# KiCad board we816.kicad_pcb (continued)
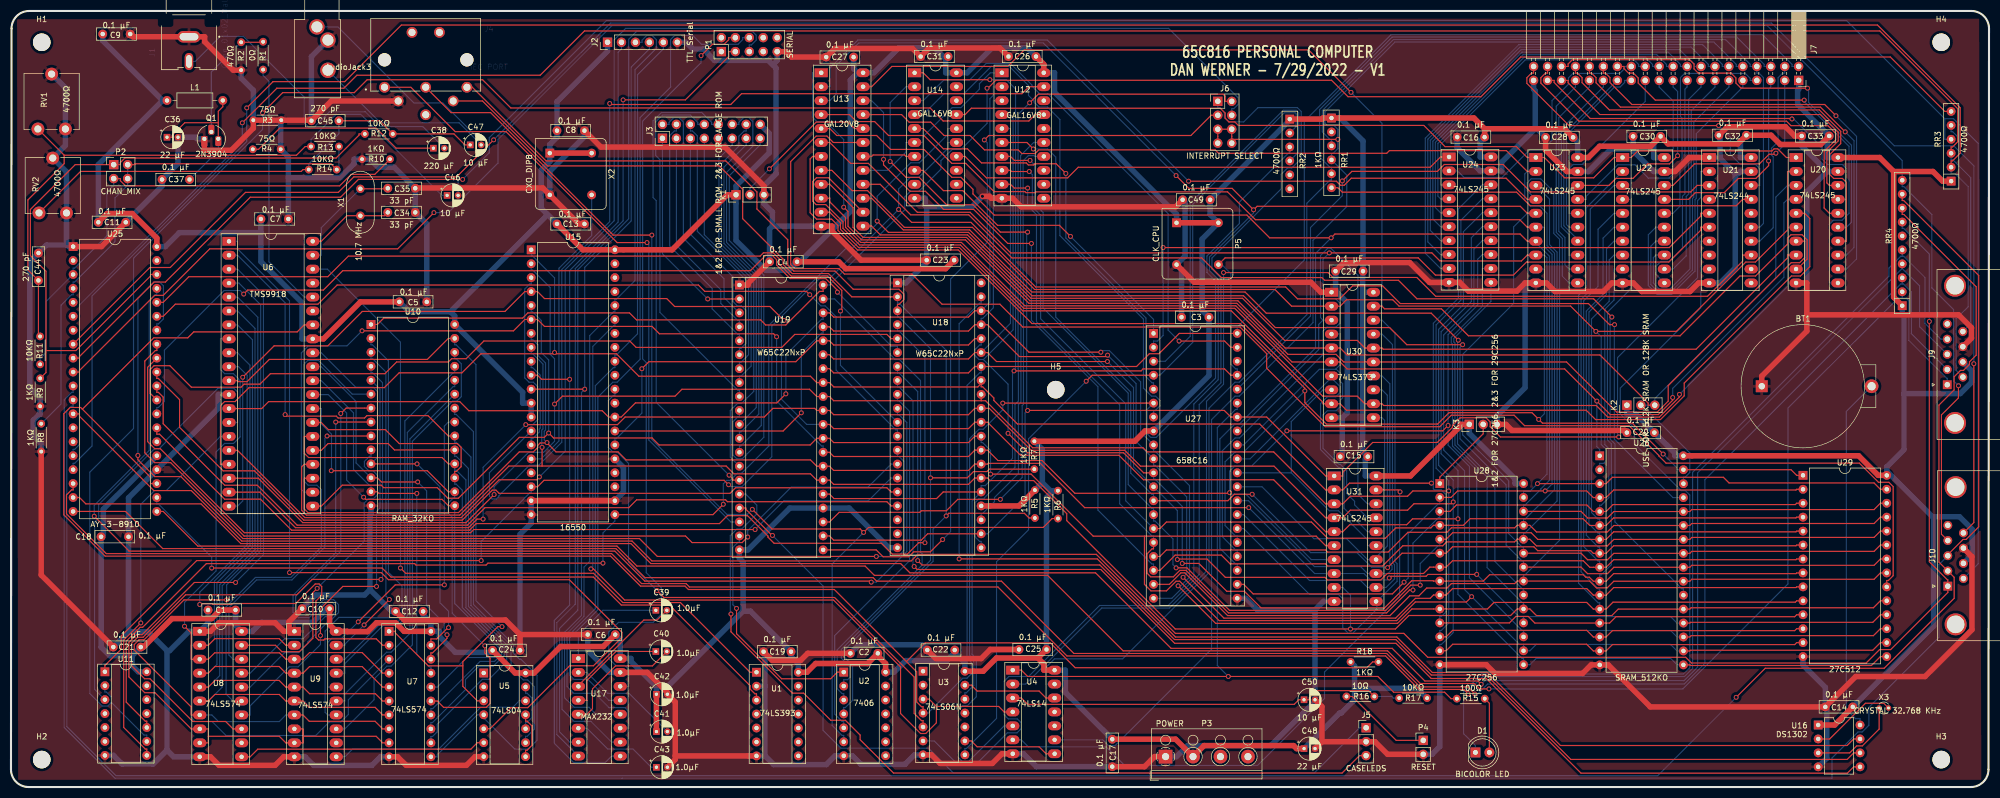
[diagram p0: board, top side]
## Routing (per net, layer and track width the routed paths; a pad name or vN(x,y) marks a point on that pad's centre or on a via; arc(x,y) is an arc through that point) (continued)
NMI: length 157.9
  Component w0.203: v1(180.55,69.95) U27.6
  Copper w0.203: U3.12 173.66,17.18 173.93,17.18 175.28,18.53 175.28,23.24 174.52,24.01 174.52,63.48 176.23,65.19 177,65.19 180.55,68.74 v1(180.55,69.95) ; RR2.3 232.8,115.46 232.51,115.46 223.63,106.58 223.63,102.67 217.72,96.76 217.72,93.76 219.28,92.19 219.28,74.51 208.49,63.71 207.5,63.71 206.84,64.37 206.84,68.79 U27.6
O1_ROM: length 274.1
  Component w0.203: U13.19 149.7,117.44 148.53,118.61 146.59,118.61 141.94,113.96 141.94,95.22 142.69,94.47 150.73,94.47 151.72,93.47 164,93.47 169.5,87.97 180.03,87.97 184.19,83.81 223.75,83.81 228.59,78.97 228.59,76.32 239.26,65.65 260.12,65.65 262.21,67.74 273.65,67.74 275.55,65.84 294.56,65.84 299.98,60.42 299.98,60.34 301.31,59.02 336.49,59.02 339.99,55.52 341.88,55.52 342.65,54.74 342.65,38.51 341.77,37.63 341.48,37.63 U29.20
P1_A: length 456.7
  Component w0.203: v1(42.91,123.74) 47.7,128.52 47.7,128.53 60.75,128.53 71.07,138.84 339.79,138.84 354.86,123.77 354.86,115.49 353.47,114.1 353.2,114.1 RR3.2
  Copper w0.203: RR3.2 353.2,111.78 353.92,111.78 356.32,109.39 356.32,87.53 354.12,85.33 354.12,75.91 J9.6 ; v1(42.91,123.74) 42.91,117.62 14.75,89.46 14.75,62.14 11.6,58.99 11.31,58.99 U25.17
P1_B: length 442.2
  Component w0.203: RR3.3 353.2,116.64 353.47,116.64 354.41,117.57 354.41,123.58 340.22,137.76 104.41,137.76 96.34,129.69 62.97,129.69 60.6,127.32 48.41,127.32 v1(42.11,121.03)
  Copper w0.203: U25.16 11.31,61.53 11.6,61.53 12.47,62.39 12.47,87.82 42.11,117.46 v1(42.11,121.03) ; RR3.3 353.2,114.32 353.49,114.32 356.77,111.04 356.77,84.43 355.34,83
P1_D: length 417.6
  Component w0.203: U25.20 20.86,50.21 27.62,43.44 110.12,43.44 115.41,38.15 156.95,38.15 157.6,37.5 180.32,37.5 193.49,24.33 250.44,24.33 256.53,18.24 265.2,18.24 v1(266.5,16.93)
  Copper w0.203: 344.3,91.66 344.51,91.66 345.97,90.21 345.97,82.6 J9.2 ; 344.3,91.66 RR4.3 ; 344.3,91.66 344.03,91.66 308.37,56 308.37,22.53 304.59,18.76 268.81,18.76 266.99,16.93 v1(266.5,16.93)
P1_L: length 419.1
  Component w0.203: v1(267.65,18.73) 267.06,19.32 257.39,19.32 251.44,25.27 211.2,25.27 197.44,39.03 163.65,39.03 161.96,40.72 116.49,40.72 112.85,44.36 41.83,44.36 34.6,51.59 13.62,51.59 12.47,52.75 U25.19
  Copper w0.203: 344.28,94.48 344.3,94.5 RR4.4 ; 344.28,94.48 347.46,91.3 347.46,83.88 J9.3 ; 344.28,94.48 307.05,57.26 307.05,21.86 304.57,19.39 268.31,19.39 v1(267.65,18.73)
P1_R: length 429.6
  Component w0.203: v1(265.28,17.01) 264.51,17.78 256.34,17.78 250.25,23.88 192.24,23.88 179.67,36.45 123.52,36.45 122.9,37.06 114.8,37.06 109.34,42.53 17.34,42.53 10.1,49.77 10.1,53.21 11.02,54.13 11.31,54.13 U25.18
  Copper w0.203: v1(265.28,17.01) 265.28,17.5 267.92,20.13 304.67,20.13 306.14,21.6 306.14,57.34 341.88,93.08 341.88,94.56 344.03,96.7 344.3,96.7 ; 344.3,96.7 344.57,96.7 348.43,92.84 348.43,84.5 351.32,81.61 J9.4 ; 344.3,96.7 RR4.5
P1_U: length 400.2
  Component w0.203: U25.21 27.71,50.21 34.02,43.9 110.31,43.9 113.95,40.26 155.49,40.26 157.18,38.57 188.71,38.57 202.47,24.81 250.61,24.81 256.56,18.86 266.38,18.86 267.37,17.88 v1(269.06,17.88)
  Copper w0.203: RR4.2 344.3,89.08 ; 344.3,89.08 345.03,89.08 345.51,88.61 345.51,81.38 352.43,74.46 352.5,74.46 J9.1 ; 344.3,89.08 343.55,89.08 323.5,69.04 323.5,37.02 304.36,17.88 v1(269.06,17.88)
P2_A: length 468.7
  Component w0.203: v1(82.22,110.71) 63.25,110.71 60,107.46 43.56,107.46 28.1,92.01 26.03,92.01 12.47,78.44 12.47,78.15 U25.9
  Copper w0.203: J10.6 358.14,40.68 358.14,117.26 353.63,121.77 352.04,121.77 ; 352.04,121.77 334.17,139.65 108.4,139.65 87.07,118.32 87.07,115.56 v1(82.22,110.71) ; 352.04,121.77 352.04,118.02 RR3.4
P2_B: length 453.4
  Component w0.203: J10.9 357.34,48.19 v1(357.34,77.13) ; U25.8 25.28,94.66 28.99,94.66 42.68,108.35 59.59,108.35 62.41,111.17 81.12,111.17 v1(87.87,117.92)
  Copper w0.203: 353.67,116.84 357.34,113.17 v1(357.34,77.13) ; 353.67,116.84 342.85,116.84 320.5,139.19 109.14,139.19 v1(87.87,117.92) ; 353.67,116.84 354.41,117.58 354.41,118.46 353.47,119.4 353.2,119.4 RR3.5
P2_D: length 502
  Component w0.203: RR4.8 344.3,104.32 344.59,104.32 357.76,91.15 357.76,78.69 356.54,77.46 356.54,77 355.45,75.91 354.91,75.91 353.74,74.74 353.74,72.34 350.98,69.58 350.98,40.99 J10.2 353.76,38.21 353.76,34.39 341.01,21.64 319.36,21.64 v1(314.07,16.35)
  Copper w0.203: v1(314.07,16.35) 299.78,2.06 19.12,2.06 10.15,11.03 10.15,68.51 11.02,69.37 11.31,69.37 U25.12
P2_L: length 512.9
  Component w0.203: J10.3 352.6,42.34 355.37,45.11 355.93,45.11 358.22,47.4 358.22,93.21 344.57,106.86 344.3,106.86 RR4.9
  Copper w0.203: U25.11 11.31,71.91 11.04,71.91 9.69,70.57 9.69,10.84 18.93,1.6 331.51,1.6 331.51,5.29 336.25,10.03 337.01,10.03 338.23,11.24 338.23,14.51 351,27.28 351,40.54 J10.3
P2_R: length 447.4
  Component w0.203: v1(77,104.65) 70.4,98.06 36.18,98.06 27.71,89.58 26.15,89.58 12.47,75.9 12.47,75.61 U25.10 ; J10.4 351.44,46.07 351.44,67.8 354.54,70.9 v1(354.54,73.11)
  Copper w0.203: v1(77,104.65) 79.62,104.65 88.67,113.7 88.67,118 109.41,138.73 319.71,138.73 344.3,114.15 RR4.10 344.3,109.4 344.59,109.4 349.69,104.31 349.69,90.96 353.66,86.99 353.66,73.99 v1(354.54,73.11)
P2_U: length 437.8
  Component w0.203: U25.13 12.47,67.99 12.47,67.56 26,54.02 32.82,54.02 42.02,44.82 113.06,44.82 116.68,41.19 163.88,41.19 165.08,42.39 197.58,42.39 211.98,27.99 253.57,27.99 257.92,23.64 304.88,23.64 305.92,22.6 337.74,22.6 340.18,25.04 342.2,25.04 352.6,35.44 J10.1 352.6,37.76 352.53,37.76 349.23,41.05 v1(349.23,84.84)
  Copper w0.203: RR4.7 344.3,101.78 344.57,101.78 349.23,97.12 v1(349.23,84.84)
RD: length 459.3
  Component w0.203: v1(264.27,80.59) 254.11,80.59 250.98,83.72 230.17,83.72 224.38,89.51 185.88,89.51 174.33,101.06 159.74,101.06 v1(157.69,103.11) ; v1(107.77,40.79) 86.84,40.79 86.48,40.44 73.75,40.44 73.48,40.71 35.57,40.71 23.96,29.1 23.5,29.1 20.98,26.58 20.98,15.47 24.45,12 24.72,12 U11.10 ; U29.22 340.32,41.55 339.17,40.39 305.98,40.39 305.62,40.03 291.8,40.03 290.64,38.88 287.01,38.88 285.82,40.06 U28.22 ; v1(129.68,51.52) 127.79,49.63 U15.21
  Copper w0.203: U15.21 109.94,48.47 107.77,46.3 v1(107.77,40.79) ; U14.16 170.56,119.98 170.56,118.93 165.38,113.74 163.79,113.74 157.69,107.64 v1(157.69,103.11) 157.69,102.69 153.35,98.35 152.2,98.35 137.96,84.1 137.96,62.13 133.02,57.18 132.25,57.18 130.94,55.87 130.31,55.87 129.68,55.24 v1(129.68,51.52) ; U28.22 275.36,41.22 275.07,41.22 272.19,44.09 272.19,55.06 263.79,63.45 263.79,80.11 v1(264.27,80.59)
RESET: length 646.5
  Component w0.203: 163.01,22.86 166.41,26.27 189.21,26.27 193.73,21.74 246.84,21.74 247.89,22.8 R18.2 ; 163.01,22.86 164.88,20.99 164.88,15.5 165.75,14.64 166.04,14.64 U3.4 ; 163.01,22.86 149.89,35.99 123.33,35.99 122.71,36.61 114.61,36.61 109.15,42.07 17.15,42.07 9.61,49.61 9.61,68.01 10.76,69.16 12.68,69.16 13,68.84 ; U25.23 25.39,55.29 25.39,56.45 13,68.84 ; 13,68.84 26,81.85 32.19,81.85 33.27,82.93 52.1,82.93 53.37,84.2 U6.34 ; U19.34 149.01,76.23 149.78,75.46 174.3,75.46 175.46,76.62 U18.34 177.78,76.62 177.78,76.62 204.91,76.62 207.24,78.95 208.99,78.95 212.69,82.65 U27.40
  Copper w0.203: U3.4 167.2,13.48 167.2,13.75 173.28,19.83 174.03,19.83 174.82,20.62 174.82,22.73 174.06,23.49 174.06,73.19 176.33,75.46 176.62,75.46 U18.34 ; J7.2 324.24,131.29 324.24,131.67 318.81,137.1 251.24,137.1 235.44,121.3 235.44,96.01 223.24,83.81 U27.40
ROWA: length 75.7
  Copper w0.203: U19.10 132.61,67.45 132.32,67.45 131.43,66.57 131.43,60.5 132.12,59.81 133.14,59.81 137.05,63.73 137.05,93.29 130.77,99.57 130.77,111.38 136.38,116.99 J3.15
ROWB: length 60.7
  Copper w0.203: J3.14 133.84,119.53 133.47,119.53 132.51,118.57 132.51,116.77 129.34,113.61 129.34,98.81 135.68,92.47 135.68,69.14 U19.11
ROWC: length 60.6
  Copper w0.203: U19.12 132.61,64.69 132.87,64.69 136.14,67.95 136.14,92.71 129.8,99.04 129.8,112.96 133.84,116.99 J3.13
ROWD: length 71.5
  Copper w0.203: U19.13 132.61,62.15 132.87,62.15 136.59,65.87 136.59,92.9 130.26,99.23 130.26,111.99 135.05,116.78 135.05,121.23 134.29,122 133.39,122 132.51,121.11 132.51,120.74 J3.12
RTS: length 140.3
  Component w0.203: v1(125.63,133.27) 127.7,135.33 129.83,135.33 130.66,136.16 130.66,136.54 P1.4
  Copper w0.203: U17.14 112.47,18.34 112.47,21.41 111.73,22.15 110.09,22.15 108.82,23.41 108.82,28.24 110.59,30.01 116.92,30.01 118.4,31.49 118.4,36.3 115.65,39.05 115.65,77.34 114.99,78.01 114.99,121.32 125.63,131.97 v1(125.63,133.27)
RTS_TTL: length 142.7
  Copper w0.203: U17.11 112.47,10.72 112.47,13.79 111.79,14.46 108.88,14.46 106.27,17.07 102.46,17.07 101.23,18.3 101.23,27.34 106.37,32.48 106.37,73.12 109.67,76.41 109.94,76.41 U15.32 109.94,78.73 110.21,78.73 114.06,82.57 114.06,129.79 118.76,134.49 J2.5
RW: length 311.4
  Component w0.203: U19.22 149.01,45.75 149.77,44.98 165.72,44.98 166.87,46.14 U18.22 ; v1(292.69,63.78) 271.14,63.78 269.29,65.64 269.29,66.52 268.53,67.28 263.81,67.28 262.42,65.89 262.42,65.55 259.65,62.78 247.9,62.78 242.45,57.33 242.45,56.68 U31.1 239.33,56.68 228.6,67.41 U27.34 222.08,67.41 220.88,68.61 v1(185.07,68.61) ; v1(185.07,101.11) 180.12,101.11 175.14,106.09 170.33,106.09 165.33,111.09 162.94,111.09 v1(160.05,113.97)
  Copper w0.203: U14.2 162.94,127.6 160.05,124.71 v1(160.05,113.97) ; v1(185.07,101.11) 184.9,100.94 184.9,68.78 v1(185.07,68.61) 184.61,68.16 184.61,52.98 177.78,46.14 U18.22 ; U21.2 307.63,112.16 307.63,107.43 307.03,106.84 307.03,92.8 292.48,78.25 292.48,63.99 v1(292.69,63.78)
RX: length 150.8
  Component w0.203: v1(111.44,125.2) 122.77,125.2 130.66,133.1 130.66,134 P1.3
  Copper w0.203: U17.8 99.38,9.55 99.38,29.96 102.73,33.32 102.73,94.46 111.44,103.17 v1(111.44,125.2)
SERATNOUT: length 68.3
  Copper w0.203: U2.5 151.6,11.94 151.31,11.94 149.96,13.29 149.96,27.61 163.59,41.24 163.59,68.45 161.65,70.38 161.38,70.38 U18.9
SERCLKIN: length 205.1
  Component w0.203: R5.2 185.34,49.02 184.48,49.88 170.73,49.88 v1(170.25,49.4) ; J4.4 85.84,125 97.67,113.17 128.93,113.17 133.2,108.91 133.2,103.55 140.56,96.19 140.56,95.23 142.24,93.55 148.84,93.55 153.07,89.32 U18.2
  Copper w0.203: U2.4 151.6,14.48 151.89,14.48 153.21,15.8 153.21,22.17 151.62,23.76 151.62,24.88 167.86,41.12 167.86,47 v1(170.25,49.4) 170.25,79.58 161.67,88.16 161.38,88.16 U18.2
SERCLKOUT: length 89.3
  Copper w0.203: U2.3 151.6,17.02 151.31,17.02 150.42,17.91 150.42,24.99 165.87,40.44 165.87,42.51 165.58,42.8 165.58,74.06 161.75,77.89 160.99,77.89 149.95,88.93 U19.39
SERDATAIN: length 202.2
  Component w0.203: J4.5 83.99,127.5 97.4,114.09 130.13,114.09 135.8,108.42 135.8,105.32 141.41,99.7 141.41,95.1 142.5,94.01 150.01,94.01 153.32,90.7 161.66,90.7 162.55,89.81 162.55,88.82 161.67,87.94 161.38,87.94 U18.3 ; R7.2 178.1,57.92 177.67,57.48 175.23,57.48 174.08,56.33 v1(167.4,56.33)
  Copper w0.203: U18.3 161.38,85.62 161.65,85.62 167.4,79.88 v1(167.4,56.33) 167.4,41.31 151.17,25.07 151.17,23.48 152.76,21.89 152.76,19.99 152.32,19.56 151.6,19.56 U2.2
SERDATAOUT: length 42.2
  Component w0.203: v1(132.09,32.55) 132.09,27.93 140.29,19.73 149.23,19.73 150.44,20.94 U2.1
  Copper w0.203: v1(132.09,32.55) 131.42,33.22 131.42,43.67 132.34,44.59 132.61,44.59 U19.19
SERSRQ: length 118.3
  Component w0.203: J4.1 72.79,127.5 80.88,119.41 90.13,119.41 110.35,99.2 v1(115.79,99.2)
  Copper w0.203: U19.18 131.05,48.29 116.11,63.23 116.11,98.88 v1(115.79,99.2)
SIN_TTL: length 154
  Component w0.203: U15.10 95.86,75.03 96.6,74.29 v1(101.7,74.29)
  Copper w0.203: J2.2 111.14,134.49 110.54,133.89 110.54,102.94 101.7,94.11 v1(101.7,74.29) 101.7,33.17 98.92,30.38 98.92,7.98 102.41,4.48 108.2,4.48 109.35,5.64 U17.9
SOUT_TTL: length 150.9
  Component w0.203: U15.11 v1(104.45,72.49)
  Copper w0.203: J2.4 116.22,134.49 112.91,131.19 112.91,103.15 104.45,94.69 v1(104.45,72.49) 103.86,71.9 103.86,31.26 100.32,27.72 100.32,14.15 102.51,11.96 105.57,11.96 109.35,8.18 U17.10
TX: length 163.5
  Copper w0.203: P1.5 134.41,135.21 134.78,135.21 135.68,136.1 135.68,136.98 134.9,137.76 113.96,137.76 112.45,136.24 112.45,103.53 103.19,94.27 103.19,32.22 99.86,28.89 99.86,10.05 101.73,8.18 U17.7
UART_INT: length 104.8
  Component w0.203: U3.5 166.04,12.1 165.75,12.1 164.43,13.42 164.43,20.04 149.94,34.53 118.88,34.53 v1(117.6,35.81)
  Copper w0.203: v1(117.6,35.81) 112.43,40.98 112.43,58.97 110.34,61.06 109.56,61.06 108.74,61.88 108.74,70.41 109.67,71.33 109.94,71.33 U15.30
URESET: length 148.8
  Component w0.203: U4.4 180.81,13.68 179.81,14.68 168.47,14.68 ; v1(105.57,39.74) 106.03,39.74 111.7,34.07 149.75,34.07 161.95,21.87 161.95,13.39 165.58,9.76 166.53,9.76 168.47,11.69 168.47,14.68 ; U3.3 167.2,16.02 167.2,15.95 168.47,14.68
  Copper w0.203: U15.35 109.94,84.03 109.67,84.03 105.92,80.28 105.92,40.09 v1(105.57,39.74)
USERA_2: length 195.2
  Component w0.203: v1(166.38,44.52) 165.26,44.52 163.19,42.44 160.44,42.44 158.47,44.41 138.92,44.41 137.82,45.51 137.82,45.71 134.08,49.45 130.42,49.45 128.97,48 84.68,48 83.48,46.8 51.07,46.8 45.42,52.45 38.89,52.45 27.05,64.29 26.55,64.29 U25.27
  Copper w0.203: U18.4 161.38,83.08 161.67,83.08 166.38,78.37 v1(166.38,44.52)
USERA_3: length 149.3
  Component w0.203: U18.5 160.22,81.7 159.45,82.47 142.69,82.47 140.32,80.1 113.81,80.1 112.64,81.27 86.09,81.27 82.87,78.04 80.22,78.04 79.62,77.45 70.21,77.45 68.07,75.31 47.22,75.31 45.32,73.41 42.43,73.41 41.88,72.85 32.84,72.85 28.92,76.77 26.05,76.77 25.32,76.04 25.32,71.76 U25.29
USERA_4: length 162.3
  Component w0.203: v1(42.37,89.82) 43.1,90.55 56.87,90.55 60.4,94.08 134.6,94.08 137.4,96.88 138.58,96.88 139.38,96.07 139.38,95.12 141.86,92.64 148.33,92.64 150.45,90.51 v1(150.45,90.16)
  Copper w0.203: U18.6 161.38,80.32 160.29,80.32 v1(150.45,90.16) ; v1(42.37,89.82) 41.72,90.46 38.8,90.46 27.93,79.6 27.93,70.26 26.82,69.15 26.55,69.15 U25.28
USERA_5: length 224.1
  Component w0.203: v1(165.07,41.25) 165.86,40.46 198.22,40.46 211.81,26.87 252.11,26.87 258.57,20.41 268.59,20.41 283.97,5.03 334.27,5.03 335.46,6.22 U16.6
  Copper w0.203: v1(165.07,41.25) 165.07,72.04 161.65,75.46 161.38,75.46 U18.7
USERA_6: length 223.6
  Component w0.203: U16.5 335.46,3.68 334.31,2.52 285.83,2.52 268.57,19.78 258.55,19.78 252.15,26.18 211.85,26.18 198.39,39.64 164.96,39.64 v1(164.42,40.18)
  Copper w0.203: v1(164.42,40.18) 164.21,40.39 164.21,70.36 161.65,72.92 161.38,72.92 U18.8
USERB_0: length 228.6
  Component w0.203: v1(156.61,37.33) 156.42,37.52 115.39,37.52 109.93,42.99 21.51,42.99 v1(15.16,49.34)
  Copper w0.203: U18.10 161.38,67.84 161.67,67.84 163.08,66.43 163.08,42.9 157.51,37.33 v1(156.61,37.33) ; v1(15.16,49.34) 15.16,51.32 25.17,61.33 25.17,88.58 26.28,89.69 26.55,89.69 U25.37
USERB_1: length 160.3
  Component w0.203: U25.36 27.71,88.31 32.38,92.98 57.67,92.98 61.43,96.73 136.38,96.73 136.98,97.34 138.77,97.34 139.87,96.24 139.87,95.28 142.05,93.09 148.65,93.09 151.25,90.49 151.25,86.97 v1(151.01,86.73)
  Copper w0.203: U18.11 151.01,76.83 v1(151.01,86.73)
USERB_2: length 155
  Component w0.203: v1(145.42,89.7) 144.81,90.31 126.3,90.31 125.15,91.46 59.37,91.46 55.88,87.98 29.91,87.98 27.71,85.77 U25.35
  Copper w0.203: v1(145.42,89.7) 147.46,87.66 148.23,87.66 150.21,85.68 150.21,75.96 161.09,65.08 161.38,65.08 U18.12
USERB_3: length 210.5
  Component w0.203: v1(23.11,60.42) 23.11,59.63 26.17,56.56 30.93,56.56 42.21,45.27 114.41,45.27 117.67,42.01 v1(157.54,42.01)
  Copper w0.203: U25.34 26.55,84.39 26.84,84.39 27.75,85.29 27.75,91.33 27.05,92.03 26.07,92.03 23.11,89.06 v1(23.11,60.42) ; U18.13 161.38,60.22 161.67,60.22 162.59,59.31 162.59,43.13 161.47,42.01 v1(157.54,42.01)
USERB_4: length 171.3
  Component w0.203: v1(134.12,45.55) 133.1,44.54 123.99,44.54 122.8,45.73 42.44,45.73 29.07,59.1 26.16,59.1 24.36,60.9 24.36,77.61 26.28,79.53 26.55,79.53 U25.33
  Copper w0.203: U18.14 160.22,58.84 156.02,54.64 142.05,54.64 134.12,46.72 v1(134.12,45.55)
USERB_5: length 163.4
  Component w0.203: v1(135.46,46.91) 84.25,46.91 83.67,46.34 42.48,46.34 27.18,61.64 26.18,61.64 24.86,62.95 24.86,76.46 U25.32
  Copper w0.203: v1(135.46,46.91) 140.71,52.16 156.09,52.16 160.22,56.3 U18.15
USERB_6: length 152.9
  Component w0.203: U18.16 160.22,53.76 159.46,54.53 131.91,54.53 130.89,53.51 88.87,53.51 88.28,54.09 87.62,54.09 82.16,48.63 53.31,48.63 44.33,57.61 38.62,57.61 30.69,65.54 30.69,70.59 26.82,74.45 26.55,74.45 U25.31
USERB_7: length 151.2
  Component w0.203: U18.17 160.22,51.22 159.46,51.99 130.43,51.99 130.09,52.33 113.9,52.33 112.47,50.9 86.29,50.9 83.1,47.71 52.1,47.71 44.82,54.99 38.91,54.99 27.71,66.19 27.71,71.05 26.84,71.91 26.55,71.91 U25.30
USERCA_2: length 228.2
  Component w0.203: U16.7 335.46,8.76 334.27,7.57 282.07,7.57 268.78,20.86 258.76,20.86 252.3,27.33 212,27.33 197.76,41.56 v1(172.61,41.56)
  Copper w0.203: v1(172.61,41.56) 172.61,84.43 176.35,88.16 176.62,88.16 U18.39
V_INT: length 273.6
  Component w0.203: v1(96.19,56.5) 95.68,55.98 88.86,55.98 81.97,49.09 53.5,49.09 41.25,61.34 U6.16
  Copper w0.203: v1(96.19,56.5) 100.9,61.21 100.9,94.28 109.81,103.18 109.81,136.14 111.9,138.23 210.74,138.23 223.45,125.53 223.45,124.44 222.62,123.61 222.24,123.61 J6.4
VAD0: length 97.2
  Component w0.203: v1(34.36,33.27) 34.52,33.42 36.63,33.42 36.79,33.26 40.14,33.26 40.31,33.44 51.83,33.44 55.39,36.99 56.11,36.99 56.57,36.53 56.57,34.95 55.51,33.89 55.51,27.26 55.99,26.78 56.93,26.78 57.15,27 66.5,27 67.67,25.83 U7.2
  Copper w0.203: v1(34.36,33.27) 34.36,35.5 42.99,44.13 42.99,75.02 41.44,76.58 U6.10
VAD1: length 138.1
  Component w0.203: U8.2 35.92,25.83 37.13,27.04 48.83,27.04 50.04,25.83 U9.2
  Copper w0.203: U6.9 41.25,79.12 43.5,76.86 43.5,43.99 37.03,37.52 37.03,26.94 35.92,25.83 U8.2 32.81,25.83 32.81,12.62 33.51,11.92 36.62,11.92 39.15,9.39 55.48,9.39 57.95,11.86 60.05,11.86 61.42,13.23 61.42,15.88 U7.3
VAD2: length 107
  Component w0.203: v1(31.6,29.29) 32.81,28.08 32.81,23.29 U8.3 35.92,23.29 37.08,24.45 48.88,24.45 50.04,23.29 U9.3 53.15,23.29 54.35,24.49 63.93,24.49 67.67,20.75 U7.4
  Copper w0.203: v1(31.6,29.29) 31.6,33.64 37.34,39.38 37.34,61.06 38.89,62.61 40.52,62.61 41.72,63.8 41.72,74 41.39,74.33 41.39,74.43 40.5,75.31 38.91,75.31 38.13,76.08 38.13,81.66 U6.8
VAD3: length 108.5
  Component w0.203: U8.4 35.92,20.75 37.13,21.96 48.83,21.96 50.04,20.75 U9.4 53.15,20.75 54.34,21.94 63.94,21.94 67.67,18.21 U7.5
  Copper w0.203: U8.4 35.92,20.75 37.49,22.32 37.49,37.23 43.97,43.71 43.97,81.48 41.25,84.2 U6.7
VAD4: length 113
  Component w0.203: U8.5 35.92,18.21 37.13,19.42 48.83,19.42 50.04,18.21 U9.5 53.15,18.21 54.35,17.01 66.33,17.01 67.67,15.67 U7.6
  Copper w0.203: U6.6 41.25,86.74 44.42,83.56 44.42,43.29 38,36.86 38,20.29 35.92,18.21 U8.5
VAD5: length 118.5
  Component w0.203: U7.7 67.67,13.13 66.29,14.51 54.31,14.51 53.15,15.67 U9.6 50.04,15.67 48.84,16.87 37.11,16.87 35.92,15.67 U8.6
  Copper w0.203: U8.6 35.92,15.67 38.45,18.2 38.45,36.67 44.94,43.16 44.94,85.59 41.25,89.28 U6.5
VAD6: length 139.1
  Component w0.203: U9.7 53.15,13.13 54.31,11.97 66.29,11.97 67.67,10.59 U7.8 ; v1(39.26,34.09) 31.5,34.09 24.24,26.84 23.32,26.84 22.44,25.96 22.44,24.95 32.81,14.58 32.81,13.13 U8.7
  Copper w0.203: U6.4 41.5,91.82 45.45,87.87 45.45,43.02 39.26,36.83 v1(39.26,34.09) ; U8.7 36.57,13.13 37.78,11.92 48.83,11.92 50.04,13.13 U9.7
VAD7: length 153.4
  Component w0.203: U9.8 53.15,10.59 53.15,9.24 ; 35.92,9.24 35.92,8.05 U8.9 ; 35.92,9.24 48.85,9.24 50.04,8.05 U9.9 53.15,8.05 53.15,9.24 ; 35.92,9.24 35.92,10.59 U8.8 32.81,10.59 26.21,17.19 24.34,17.19 21.47,20.07 21.47,26.36 22.86,27.75 23.86,27.75 33.38,37.27 v1(40.89,37.27) ; 53.15,9.24 66.48,9.24 67.67,8.05 U7.9
  Copper w0.203: v1(40.89,37.27) 45.96,42.34 45.96,89.65 41.25,94.36 U6.3
VCAS: length 130.4
  Component w0.203: U10.20 79.62,63.96 75.92,67.67 64.8,67.67 64.37,67.24 59.56,67.24 59.22,67.58 50.18,67.58 v1(49.9,67.86)
  Copper w0.203: U10.20 80.78,62.8 81.05,62.8 83.73,60.12 83.73,33.08 91.04,25.76 91.04,21.73 93.26,19.51 94.06,19.51 95.3,18.26 95.3,10.57 93.97,9.24 93.68,9.24 U5.9 ; v1(49.9,67.86) 49.9,88.24 41.25,96.9 U6.2
VCOL: length 38.7
  Copper w0.203: U9.11 60.77,5.51 62.15,6.89 77.86,6.89 85.51,14.54 91.37,14.54 92.52,15.7 U5.12
VD0: length 74.2
  Component w0.203: U7.19 76.45,26.99 77.49,26.99 79.55,29.05 v1(79.66,29.05) ; v1(73.92,58.88) U10.11
  Copper w0.203: U10.11 66.72,60.06 66.72,72.06 65.93,72.85 62.76,72.85 56.49,79.12 U6.32 ; v1(73.92,58.88) 78.09,54.71 78.09,33.57 79.66,32 v1(79.66,29.05)
VD1: length 70.3
  Component w0.203: v1(79.38,27.74) 79.38,27.09 76.74,24.45 76.45,24.45 U7.18 ; v1(74.04,55.59) 67.45,55.59 66.7,56.34 U10.12
  Copper w0.203: U10.12 62.81,59.07 62.81,70.25 56.49,76.58 U6.31 ; v1(79.38,27.74) 78.86,28.26 78.86,29.85 75.66,33.05 75.66,53.96 v1(74.04,55.59)
VD2: length 68.2
  Component w0.203: U10.13 66.7,53.8 67,53.49 v1(73.88,53.49)
  Copper w0.203: U10.13 65.54,54.96 65.25,54.96 62.36,57.85 62.36,68.17 56.49,74.04 U6.30 ; v1(73.88,53.49) 73.87,53.48 73.87,24.19 76.16,21.91 76.45,21.91 U7.17
VD3: length 86.6
  Component w0.203: U10.15 79.62,51.26 78.47,52.42 64.59,52.42 v1(64.2,52.8)
  Copper w0.203: U10.15 80.78,33.43 88.86,25.35 88.86,24.39 88.07,23.6 82.99,23.6 77.6,18.21 U7.16 ; v1(64.2,52.8) 61.1,55.9 61.1,68.15 57.75,71.5 U6.29
VD4: length 91.6
  Component w0.203: U10.16 79.62,53.8 75.79,57.63 v1(58.31,57.63) ; v1(86.27,25.73) 86.27,24.45 87.21,23.51 87.21,15.22 86.52,14.52 78.76,14.52 77.6,15.67 U7.15
  Copper w0.203: U10.16 80.78,52.64 80.52,52.64 79.62,51.75 79.62,49.86 80.32,49.16 80.32,31.68 v1(86.27,25.73) ; v1(58.31,57.63) 58.35,57.67 58.35,64.3 56.49,66.17 56.49,68.96 U6.28
VD5: length 89.1
  Component w0.203: U6.27 56.49,66.42 57.79,65.12 68.15,65.12 70.69,62.58 81.26,62.58 81.94,61.9 81.94,58.37 81.07,57.5 80.78,57.5 U10.17
  Copper w0.203: U7.14 76.45,14.29 76.78,14.29 85.38,22.89 88.03,22.89 89.33,24.18 89.33,25.53 82.16,32.69 82.16,54.07 81.05,55.18 80.78,55.18 U10.17
VD6: length 92.2
  Component w0.203: U6.26 53.37,63.88 53.37,60.84 54.18,60.04 78.47,60.04 79.62,58.88 U10.18
  Copper w0.203: U7.13 76.45,11.75 76.74,11.75 82.74,17.75 82.74,19.59 85.12,21.97 87.76,21.97 89.79,23.99 89.79,25.72 82.81,32.7 82.81,55.96 81.05,57.72 80.78,57.72 U10.18
VD7: length 90.9
  Component w0.203: U6.25 56.49,61.34 57.72,62.58 68.66,62.58 69.81,61.42 U10.19
  Copper w0.203: U10.19 80.78,60.26 81.05,60.26 83.27,58.04 83.27,32.89 90.25,25.91 90.25,22.87 87.01,19.62 85.8,19.62 77.6,11.42 77.6,10.07 76.74,9.21 76.45,9.21 U7.12
VDA: length 95.5
  Component w0.203: U27.39 222.08,80.11 220.94,81.26 v1(212.65,81.26)
  Copper w0.203: U14.3 166.06,125.06 169.81,128.81 174.49,128.81 177.53,131.85 181.93,131.85 185.86,127.91 185.86,127.71 187.25,126.33 188.79,126.33 210.66,104.47 210.66,83.25 v1(212.65,81.26)
VDPRD: length 70.1
  Component w0.203: U11.8 24.72,6.92 24.45,6.92 20.52,10.85 20.52,26.79 v1(23.63,29.9)
  Copper w0.203: U6.15 38.13,63.88 28.27,54.02 26.14,54.02 23.63,51.51 v1(23.63,29.9)
VDPWR: length 78.3
  Copper w0.203: U11.3 15.23,17.79 15.23,48.28 15.96,49.01 15.96,51.47 26.13,61.64 26.96,61.64 28.26,62.94 28.26,63.24 37.7,72.67 40.57,72.67 41.25,72 41.25,66.42 U6.14
VIA1_INT: length 124.9
  Component w0.203: v1(185.45,124.67) 187.03,126.25 220.67,126.25 221.03,125.88 221.03,124.94 J6.2
  Copper w0.203: U18.21 176.62,44.76 176.33,44.76 175.44,45.65 175.44,51.73 176.19,52.49 177.01,52.49 182.78,58.26 182.78,69.71 183.4,70.33 183.4,76.15 183.34,76.21 183.34,122.55 v1(185.45,124.67)
VIA2_INT: length 144.3
  Component w0.203: J6.3 218.49,122.4 214.8,118.71 178,118.71 v1(177.2,117.9) ; U19.21 157.51,43.21 158.76,41.96 163.44,41.96 164.33,42.85 167.37,42.85 v1(169.61,45.09)
  Copper w0.203: v1(169.61,45.09) 171.05,46.53 171.05,92.56 177.74,99.25 177.74,117.36 v1(177.2,117.9)
VP: length 57.3
  Component w0.203: v1(192.88,100.33) 190.86,102.34 179.6,102.34 173.28,108.66 169.75,108.66 166.06,112.36 U14.8
  Copper w0.203: v1(192.88,100.33) 208,85.21 U27.1
VPA: length 98.2
  Copper w0.203: U27.7 208,68.57 208.27,68.57 209.2,69.49 209.2,70.41 208.39,71.22 207.62,71.22 206.16,72.68 206.16,85.26 190.95,100.48 190.95,121.63 188.68,123.9 187.14,123.9 186.25,124.79 186.25,125 185.24,126.01 185.24,127.81 181.73,131.31 178.47,131.31 173.49,126.33 169.87,126.33 166.06,122.52 U14.4
VRAM_BANK: length 323
  Component w0.203: v1(177.69,127.33) 177.85,127.33 179.29,128.77 240.41,128.77 243.41,125.78 267.62,125.78 274.85,133.01 342.13,133.01 352.04,123.1 RR3.6 ; U10.1 66.7,84.28 67.85,85.44 93.14,85.44 94.09,86.38 112.6,86.38 113.87,85.12 136.46,85.12 137.39,84.19 141.06,84.19 147.18,90.31 147.85,90.31 U19.40
  Copper w0.203: U19.40 149.01,91.47 162.72,105.18 162.72,107.54 163.72,108.55 165.28,108.55 169.29,112.56 169.29,114.12 171.35,116.17 172.95,116.17 177.69,120.91 v1(177.69,127.33)
VRAS: length 163.9
  Component w0.203: v1(50.7,39.07) 67.42,39.07 68.71,37.77 101.64,37.77 111.23,28.19 111.23,27.29 106.04,22.09 101.71,22.09 94.07,14.46 91.05,14.46 87.21,10.62 U5.5
  Copper w0.203: v1(50.7,39.07) 50.7,88.59 41.25,98.05 41.25,99.44 U6.1
VRD: length 93.6
  Copper w0.203: U7.11 77.6,5.51 77.6,5.86 84.9,13.16 85.48,13.16 ; U10.22 80.78,67.88 81.05,67.88 84.19,64.75 84.19,33.27 91.52,25.93 91.52,24.35 92.57,23.3 92.81,23.3 95.76,20.35 95.76,8.52 94.14,6.9 91.74,6.9 85.48,13.16 ; 85.48,13.16 U5.4
